# Altium PCB MR-71_RE0.PcbDoc
Units mm, origin at the board's own origin, x right, y up, seen from the top; angles counter-clockwise.
Board outline 119.7 x 55.6 mm, 2 copper layers (Top Layer, Bottom Layer), stack 1.535 mm thick; 105 components, 63 nets, 323 pads, 72 vias.
Unrouted connection lines stored in the file: 1.
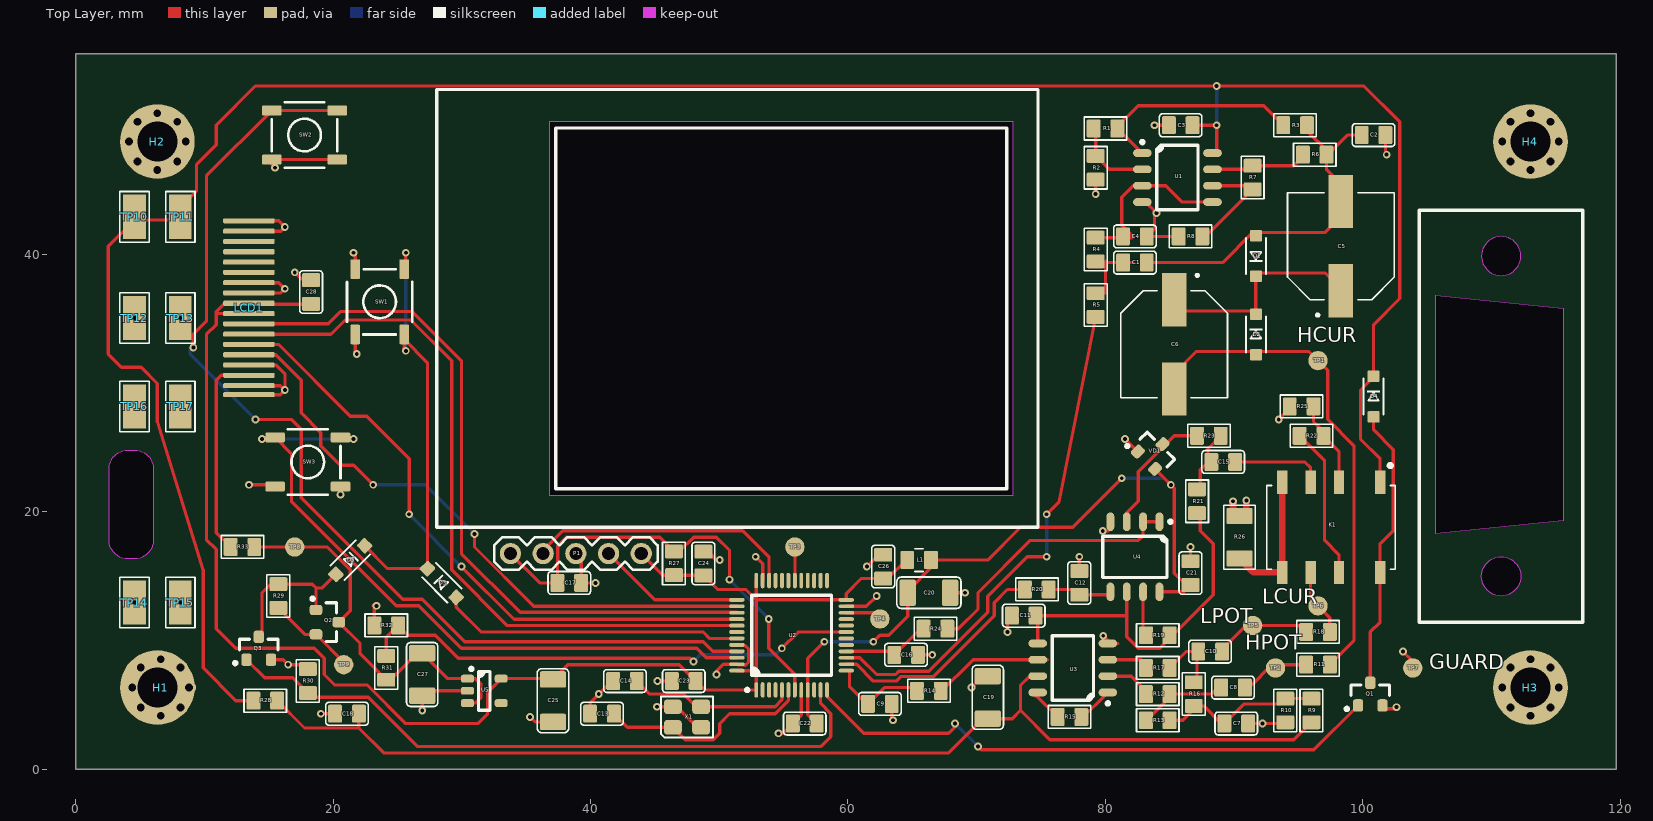
[diagram p0: Top Layer view]
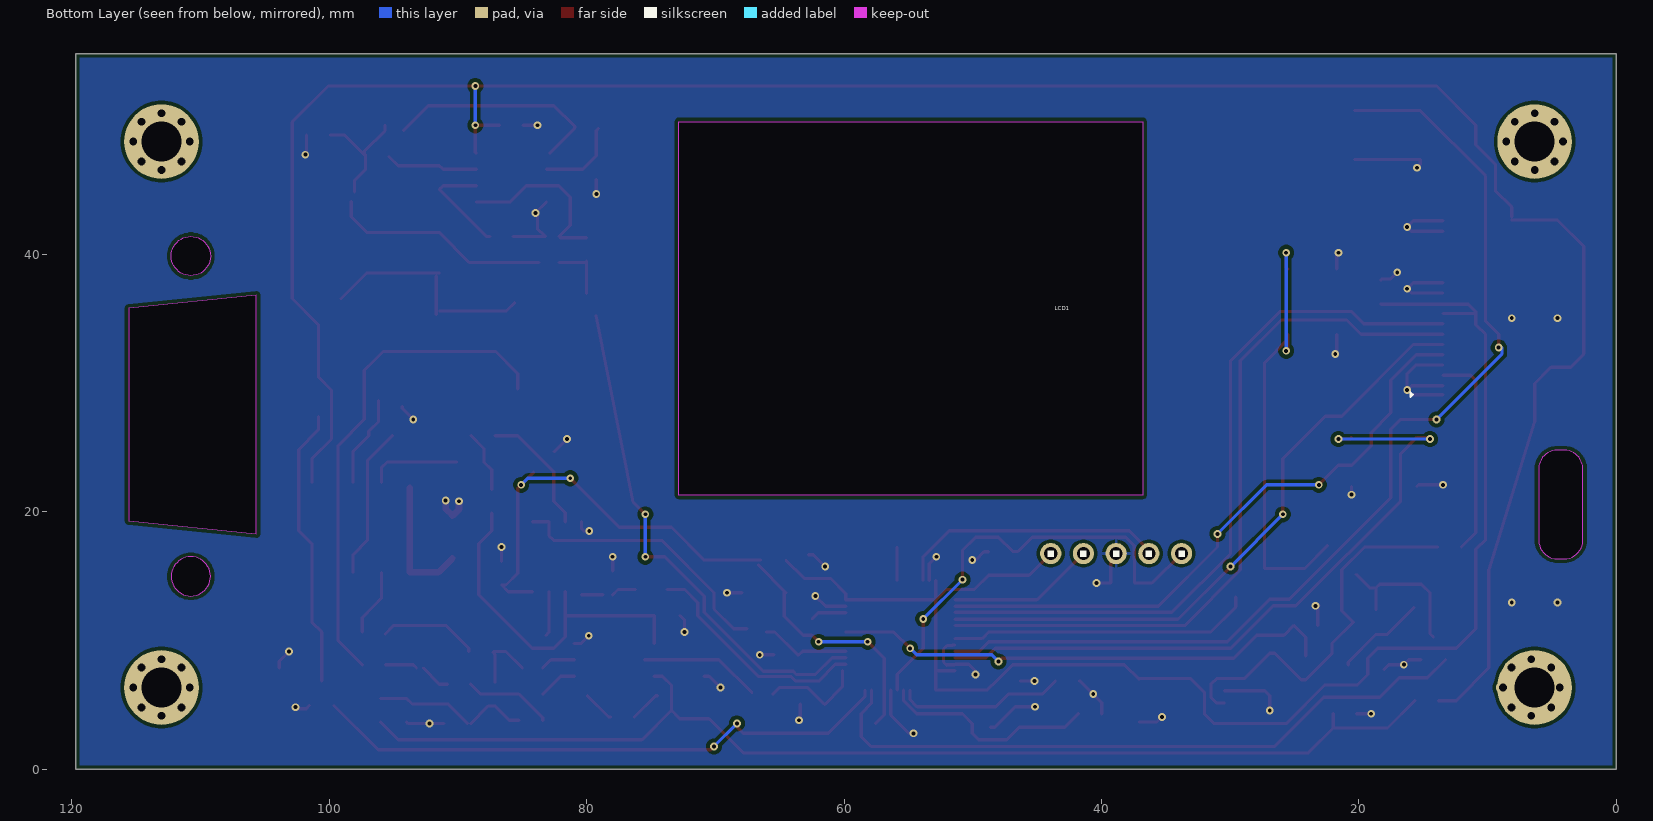
[diagram p1: Bottom Layer view, seen from below]
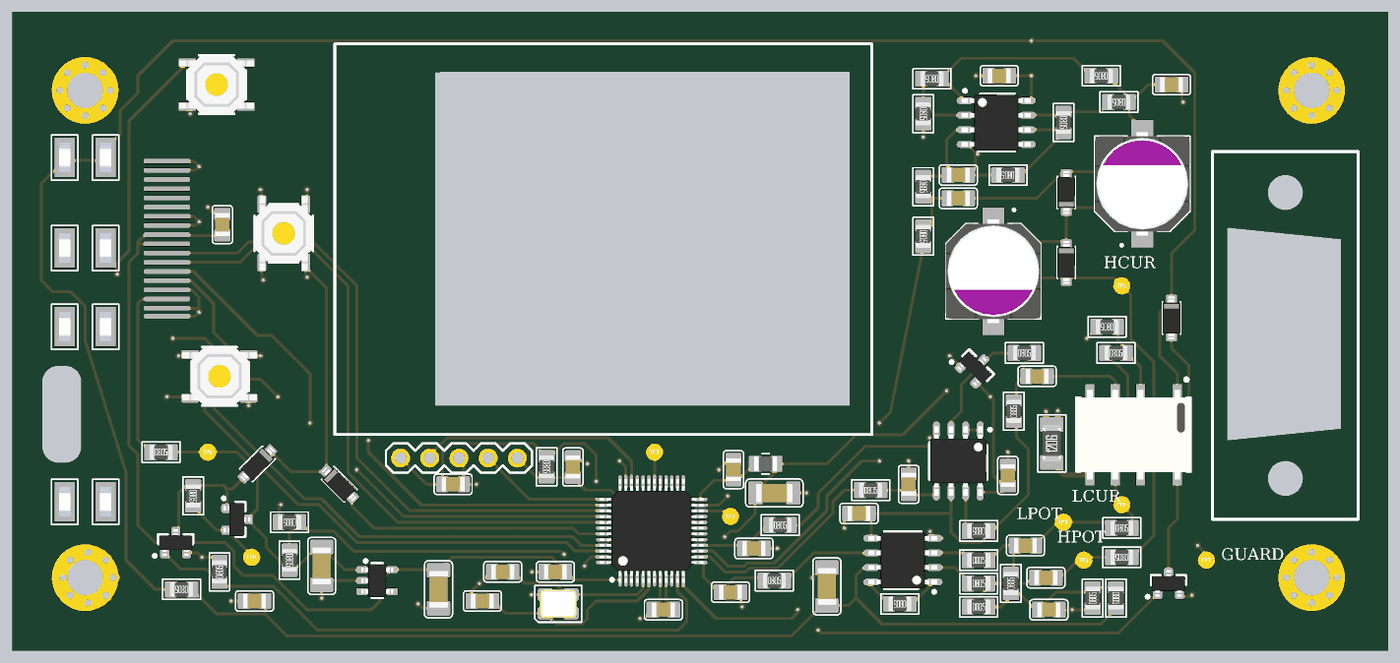
[diagram p2: 3D render of the assembled board from above, using the file's embedded part models]

## Layer stack, top to bottom
Top Solder: solder mask 0.0102, Solder Resist, Dk 3.5
Top Layer: signal copper 0.035
Dielectric2: core 1.465, Dk 4.2
Bottom Layer: signal copper 0.035
Bottom Solder: solder mask 0.0102, Solder Resist, Dk 3.5

## Board outline
0,0 119.7,0 119.7,55.6 0,55.6
cut-out: 4.038,16.353 cw(c4.038,17.78) 2.611,17.78 2.611,23.622 2.654,23.718 cw(c4.038,23.368) 4.038,24.795 4.598,24.795 cw(c4.598,23.368) 5.982,23.718 6.025,23.622 6.025,17.78 cw(c4.598,17.78) 4.598,16.353
cut-out: 109.22,39.878 ccw(c110.744,39.878) 110.744,38.354 ccw(c110.744,39.878) 112.268,39.878 ccw(c110.744,39.878) 110.744,41.402 ccw(c110.744,39.878)
cut-out: 109.22,14.986 cw(c110.744,14.986) 110.744,16.51 cw(c110.744,14.986) 112.268,14.986 cw(c110.744,14.986) 110.744,13.462 cw(c110.744,14.986)
cut-out: 105.664,18.288 105.664,36.83 115.57,35.814 115.57,19.304
cut-out: 36.792,21.293 72.832,21.293 72.832,50.323 36.792,50.323

## Design rules (kind name [scope] priority, off if disabled: settings)
BoardOutlineClearance [All] p1: gap=0.3 ignorepadtopadclearanceinfootprint=FALSE except(0: Arc-SplitContinuation Track-SplitContinuation SMDPad-SplitContinuation THPad-SplitContinuation Via-SplitContinuation Fill-SplitContinuation Poly-SplitContinuation Region-SplitContinuation Text-SplitContinuation)
Clearance "Stitching VOUT" [IsStitchingVia and InNet('VOUT') vs (IsVia and (Not IsStitchingVia)) Or IsPad] p1: gap=0.127 ignorepadtopadclearanceinfootprint=FALSE
Clearance "PGND vs via" [(InNet('GND') AND InPolygon) vs IsVia] p2: gap=0.305 ignorepadtopadclearanceinfootprint=FALSE except(0: Arc-Hole Track-Hole SMDPad-Hole THPad-Hole Via-Hole Fill-Hole Poly-Hole Region-Hole Text-Hole)
Clearance "pour clearance_1" [InPolygon] p3: gap=0.254 ignorepadtopadclearanceinfootprint=FALSE except(0: Arc-Hole Track-Hole SMDPad-Hole THPad-Hole Via-Hole Fill-Hole Poly-Hole Region-Hole Text-Hole)
Clearance [All] p4: gap=0.198 ignorepadtopadclearanceinfootprint=FALSE except(0: Arc-Hole Track-Hole SMDPad-Hole THPad-Hole Via-Hole Fill-Hole Poly-Hole Region-Hole Text-Hole; 0.15: Arc-Via Track-Via SMDPad-SMDPad)
DiffPairsRouting [All] p1: maxlimit=0.254 minlimit=0.2 mostfreqgap=0.2 toplayer_minwidth=0.2 toplayer_maxwidth=0.381 toplayer_prefwidth=0.2 bottomlayer_minwidth=0.2 bottomlayer_maxwidth=0.381 bottomlayer_prefwidth=0.2 maxuncoupledlength=12.7
HoleSize [All] p1: absolutevalues=TRUE maxlimit=6.858 minlimit=0.279 maxpercent=80.000 minpercent=20.000
MinimumSolderMaskSliver [All] p1: minsoldermaskwidth=0
PolygonConnect HOLE_J1-J4 [InComponent('J1') OR InComponent('J2') OR InComponent('J3') OR InComponent('J4')] p1: connectstyle=Direct reliefconductorwidth=0.254 reliefentries=4 polygonreliefangle="90 Angle" airgapwidth=0.254
PolygonConnect HOLE [All] p2: thpad.connectstyle=Relief thpad.reliefconductorwidth=0.254 thpad.reliefentries=4 thpad.polygonreliefangle="90 Angle" thpad.airgapwidth=0.254 smdpad.connectstyle=Direct smdpad.reliefconductorwidth=0.254 smdpad.reliefentries=4 smdpad.polygonreliefangle="90 Angle" smdpad.airgapwidth=0.254 via.connectstyle=Direct via.reliefconductorwidth=0.254 via.reliefentries=4 via.polygonreliefangle="90 Angle" via.airgapwidth=0.254
PolygonConnect [All] p3: connectstyle=Direct reliefconductorwidth=0.254 reliefentries=4 polygonreliefangle="90 Angle" airgapwidth=0.254
RoutingVias [All] p1: holewidth=0.3 width=0.6 viastyle="Through Hole" minholewidth=0.3 minwidth=0.6 maxholewidth=1 maxwidth=2
ShortCircuit [InNet('AGND') vs InNet('PGND')] p1: allowed=TRUE
SilkToSilkClearance [All] p1 off: silktosilkclearance=0.178
SilkToSolderMaskClearance [IsPad] p1 off: minsilkscreentomaskgap=0.178 clearancetoexposedcopper=TRUE
SolderMaskExpansion SolderMaskExpansion_Via [ObjectKind = 'Via'] p1: expansion=0.051 istentingtop=TRUE
SolderMaskExpansion [All] p2: expansion=0.051 istentingtop=FALSE
Width [All] p1: maxlimit=2.54 minlimit=0.2 preferedwidth=0.2
24 further rules are at their usual default settings.

## Components (designator, comment, footprint, x,y, rotation, side; value= is the part's Value field where it differs from the comment)
BAT1 "BAT_NA" Lipo_NONE -2.473,69.534 r90 top
C1 "22pF" C0805 82.296,39.37 r180 top
C2 "4.7nF" C0805 100.838,49.276 r0 top
C3 "1uF" C0805 85.852,50.038 r0 top
C4 "100pF" C0805 82.296,41.402 r0 top
C5 "220uF/35V/8*10.5mm" "CAP OS-CON D=8.0 L=11.9 E12" 98.298,40.64 r90 top
C6 "220uF/35V/8*10.5mm" "CAP OS-CON D=8.0 L=11.9 E12" 85.344,33.02 r270 top
C7 "100nF" C0805 90.17,3.556 r0 top
C8 "330nF" C0805 89.916,6.35 r0 top
C9 "1nF" C0805 62.484,5.08 r0 top
C10 "330nF" C0805 88.138,9.144 r0 top
C11 "100nF" C0805 73.66,11.938 r180 top
C12 "100pF" C0805 77.978,14.478 r90 top
C13 "10pF" C0805 40.894,4.318 r0 top
C14 "10pF" C0805 42.672,6.858 r0 top
C15 "330nF" C0805 89.154,23.876 r0 top
C16 "1nF" C0805 64.516,8.89 r180 top
C17 "100nF" C0805 38.354,14.478 r180 top
C18 "100nF" C0805 21.082,4.318 r180 top
C19 "10uF" C1206 70.866,5.588 r90 top
C20 "10uF" C1206 66.294,13.716 r0 top
C21 "1uF" C0805 86.614,15.24 r90 top
C22 "100nF" C0805 56.642,3.556 r180 top
C23 "1uF" C0805 47.244,6.858 r180 top
C24 "1uF" C0805 48.774,15.987 r90 top
C25 "10uF" C1206 37.084,5.334 r270 top
C26 "100nF" C0805 62.738,15.748 r90 top
C27 "10uF" C1206 26.924,7.366 r270 top
C28 "100nF" C0805 18.288,37.084 r270 top
D1 "DL4148" SOD-123 91.694,39.878 r270 top
D2 "DL4148" SOD-123 91.694,33.782 r90 top
D3 "DL4148" SOD-123 28.448,14.478 r135 top
D4 "DL4148" SOD-123 100.838,28.956 r90 top
D5 "DL4148" SOD-123 21.336,16.256 r45 top
H1 "HOLE" "M3.1 D=5.8 SUN"#1 6.604,6.35 r0 top locked
H2 "HOLE" "M3.1 D=5.8 SUN"#2 6.35,48.768 r0 top locked
H3 "HOLE" "M3.1 D=5.8 SUN"#2 113.03,6.35 r0 top locked
H4 "HOLE" "M3.1 D=5.8 SUN"#2 113.03,48.768 r0 top locked
K1 "G6K (B)" RELAY_G6K-2F-Y 97.536,18.796 r180 top
L1 "inductor_mini" FER0805 65.532,16.256 r180 top
LCD1 "LCD_Universal_128x160_18pin" LCD-128X160-1.8INCH_SOLDER_MR-71 74.762,35.808 r90 bottom locked
P1 "CONN_X5" 2.54MM_MALE_X5 43.942,16.764 r180 top
Q1 "2N7002" "INFINEON SOT-23-3" 100.584,5.842 r90 top
Q2 "P-MOS_123" "INFINEON SOT-23-3" 19.558,11.43 r0 top
Q3 "2N7002" "INFINEON SOT-23-3" 14.224,9.398 r90 top
R1 "6.2K" R0805 80.01,49.784 r180 top
R2 "3K" R0805 79.248,46.736 r270 top
R3 "51R" R0805 94.742,50.038 r180 top
R4 "7.5K" R0805 79.248,40.386 r270 top
R5 "7.5K" R0805 79.248,36.068 r270 top
R6 "51R" R0805 96.266,47.752 r180 top
R7 "6.2K" R0805 91.44,45.974 r270 top
R8 "3K" R0805 86.614,41.402 r180 top
R9 "7.5K" R0805 96.012,4.572 r270 top
R10 "7.5K" R0805 93.98,4.572 r90 top
R11 "3K" R0805 96.52,8.128 r180 top
R12 "300R" R0805 84.074,5.842 r0 top
R13 "1M" R0805 84.074,3.81 r0 top
R14 "300R" R0805 66.294,6.096 r0 top
R15 "3.6K/1%" R0805 77.216,4.064 r180 top
R16 "1M" R0805 86.868,5.842 r90 top
R17 "300R" R0805 84.074,7.874 r0 top
R18 "3K" R0805 96.52,10.668 r0 top
R19 "51R" R0805 84.074,10.414 r180 top
R20 "300R" R0805 74.676,13.97 r0 top
R21 "1M" R0805 87.122,20.828 r90 top
R22 "13K" R0805 96.012,25.908 r0 top
R23 "300R" R0805 88.043,25.908 r0 top
R24 "300R" R0805 66.802,10.922 r0 top
R25 "10K/1%" R0805 95.25,28.194 r180 top
R26 "33R/1%" R1206 90.424,18.034 r90 top
R27 "20K" R0805 46.482,16.002 r270 top
R28 "51R" R0805 14.732,5.334 r180 top
R29 "20K" R0805 15.748,13.462 r270 top
R30 "20K" R0805 18.034,6.858 r90 top
R31 "20K" R0805 24.13,7.874 r270 top
R32 "20K" R0805 24.13,11.176 r180 top
R33 "51R" R0805 12.954,17.272 r0 top
SW1 "Button-4P" TACTILE_SWITCH_SMD_4X4MM 23.622,36.322 r90 top
SW2 "Button-4P" TACTILE_SWITCH_SMD_4X4MM 17.78,49.276 r180 top
SW3 "Button-4P" TACTILE_SWITCH_SMD_4X4MM 18.034,23.876 r180 top
TP1 "TP_SMD" TP_SMD_1.5mm_01 96.52,31.75 r0 top
TP2 "TP_SMD" TP_SMD_1.5mm_01 93.218,7.874 r90 top
TP3 "TP_SMD" TP_SMD_1.5mm_01 55.88,17.272 r90 top
TP4 "TP_SMD" TP_SMD_1.5mm_01 62.484,11.684 r90 top
TP5 "TP_SMD" TP_SMD_1.5mm_01 91.44,11.176 r90 top
TP6 "TP_SMD" TP_SMD_1.5mm_01 96.52,12.7 r90 top
TP7 "TP_SMD" TP_SMD_1.5mm_01 103.886,7.874 r90 top
TP8 "TP_SMD" TP_SMD_1.5mm_01 17.018,17.272 r90 top
TP9 "TP_SMD" TP_SMD_1.5mm_01 20.828,8.128 r90 top
TP10 "TP_SMD" KEYSTONE_5015 4.572,42.926 r90 top
TP11 "TP_SMD" KEYSTONE_5015 8.128,42.926 r90 top
TP12 "TP_SMD" KEYSTONE_5015 4.572,35.052 r90 top
TP13 "TP_SMD" KEYSTONE_5015 8.128,35.052 r90 top
TP14 "TP_SMD" KEYSTONE_5015 4.572,12.954 r90 top
TP15 "TP_SMD" KEYSTONE_5015 8.128,12.954 r90 top
TP16 "TP_SMD" KEYSTONE_5015 4.572,28.194 r90 top
TP17 "TP_SMD" KEYSTONE_5015 8.128,28.194 r90 top
U1 "MAX4392" "ANALOG DEV SOIC-8 R8" 85.598,45.974 r0 top
U2 "STM32F303CBT6" "ST LQFP-48 7x7MM" 55.626,10.414 r90 top
U3 "INA828" "ANALOG DEV SOIC-8 R8" 77.47,7.874 r180 top
U4 "MCP6022" "ANALOG DEV SOIC-8 R8" 82.296,16.51 r270 top
U5 "LP5907MFX-3.0" "ANALOG TSOT-23-5 UJ-5" 31.75,6.096 r0 top
VD1 "BAV99" "INFINEON SOT-23-3" 83.82,24.638 r45 top
X1 "XTAL-4P" "EPSON TSX-3225" 47.498,4.064 r0 top

## Footprints (in the part's own frame and the unit in brackets; to place one, negate y for a bottom-side part, rotate by r counter-clockwise, add the part's x,y. Pads: shape width x height; smd on the part's side, far side on the other; paste and mask are expansions set on the pad)
2.54MM_MALE_X5 [mm]
  round 1.65 hole 1.016: 1(0,0) 2(2.54,0) 3(5.08,0) 4(7.62,0) 5(10.16,0)
  silkscreen extent -1.27,-1.27 11.43,1.27
"ANALOG DEV SOIC-8 R8" [mm] "SOIC, 8-Leads, Body 4.90x3.90mm, Pitch 1.27mm, IPC Medium Density"
  oval 1.45x0.6 smd: 1(-2.725,1.905) 2(-2.725,0.635) 3(-2.725,-0.635) 4(-2.725,-1.905) 5(2.725,-1.905) 6(2.725,-0.635) 7(2.725,0.635) 8(2.725,1.905)
  silkscreen extent -2.85,-2.5 1.6,2.88, body extent -3.01,-2.45 3.01,2.45, height 1.5
"ANALOG TSOT-23-5 UJ-5" [mm] "SOT23, 5-Leads, Body 2.90x1.60mm, Pitch 0.95mm, IPC Medium Density"
  rrect50% 1x0.6 smd: 1(-1.31,0.95) 2(-1.31,0) 3(-1.31,-0.95) 4(1.31,-0.95) 5(1.31,0.95)
  silkscreen extent -1.12,-1.5 0.45,1.82, body extent -1.4,-1.45 1.4,1.45, height 1
C0805 [mil]
  rrect20% 42.5x55 smd: 1(-36.26,0) 2(36.26,0)
  silkscreen extent -65,-35 65,35, body extent -39,-25 39,25, height 49
C1206 [mil]
  rrect20% 50x80 smd: 1(-65,0) 2(65,0)
  silkscreen extent -98,-48 98,48, body extent -63,-32 63,32, height 64
"CAP OS-CON D=8.0 L=11.9 E12" [mm]
  rect 4.15x1.9 smd: 1(-3.475,0) 2(3.475,0)
  silkscreen extent -5.45,-4.15 4.15,4.15, body extent -4.5,-4.15 4.5,4.15, height 11.9
"EPSON TSX-3225" [mm] "Crystal, 4-Leads, Body 2.50x3.20mm, Pitch 2.20mm, IPC Medium Density"
  rrect50% 1.4x1.15 smd: 1(-1.1,-0.8) 2(1.1,-0.8) 3(1.1,0.8) 4(-1.1,0.8)
  silkscreen extent -2.02,-1.6 2.02,1.6, body extent -1.61,-1.26 1.61,1.26, height 0.6
FER0805 [mil]
  rrect20% 42.5x55 smd: 1(-36.26,0) 2(36.26,0)
  silkscreen extent -13,-35 13,35, body extent -39,-25 39,25, height 49
"INFINEON SOT-23-3" [mm] "SOT23, 3-Leads, Body 2.90x2.40mm, Pitch 0.95mm, IPC Medium Density"
  rrect50% 0.972x0.802 smd: 1(-0.885,0.95) 2(-0.885,-0.95) 3(0.885,0)
  silkscreen extent -1.27,-1.5 0.7,1.95, body extent -1.16,-1.45 1.16,1.45, height 1
KEYSTONE_5015 [mm]
  rect 3.43x1.78 smd: 1(0,0)
  silkscreen extent -1.96,-1.14 1.96,1.14, body extent -1.33,-0.51 1.33,0.51, height 1.52
LCD-128X160-1.8INCH_SOLDER_MR-71 [mm]
  rrect50% 0.4x4 smd far side: 1(-6.7,-61.3) 2(-6,-61.3) 3(-5.2,-61.3) 4(-4.4,-61.3) 5(-3.6,-61.3) 6(-2.8,-61.3) 7(-2,-61.3) 8(-1.2,-61.3) 9(-0.4,-61.3) 10(0.4,-61.3) 11(1.2,-61.3) 12(2,-61.3) 13(2.8,-61.3) 14(3.6,-61.3) 15(4.4,-61.3) 16(5.2,-61.3) 17(6,-61.3) 18(6.8,-61.3)
  silkscreen extent -6.9,-58.95 -6.5,-58.75
Lipo_NONE [mm]
"M3.1 D=5.8 SUN"#1 [mm]
  round 1.108 hole 0.6: 1(-2.2,0) 1(-1.55,-1.55) 1(-1.55,1.55) 1(0,-2.2) 1(0,2.2) 1(1.55,-1.55) 1(1.55,1.55) 1(2.2,0)
  round 5.8 hole 3.1: 1(-0.254,0)
"M3.1 D=5.8 SUN"#2 [mm]
  round 1.108 hole 0.6: 1(-2.2,0) 1(-1.55,-1.55) 1(-1.55,1.55) 1(0,-2.2) 1(0,2.2) 1(1.55,-1.55) 1(1.55,1.55) 1(2.2,0)
  round 5.8 hole 3.1: 1(0,0)
R0805 [mil]
  rrect20% 42.5x55 smd: 1(-36.26,0) 2(36.26,0)
  silkscreen extent -65,-35 65,35, body extent -39,-25 39,25, height 24
R1206 [mil]
  rrect20% 50x80 smd: 1(-65,0) 2(65,0)
  silkscreen extent -98,-48 98,48, body extent -63,-31 63,31, height 24
RELAY_G6K-2F-Y [mm]
  rect 0.8x1.8 smd: 1(-3.81,-3.5) 2(-0.61,-3.5) 3(1.59,-3.5) 4(3.79,-3.5) 5(3.79,3.5) 6(1.59,3.5) 7(-0.61,3.5) 8(-3.81,3.5)
  silkscreen extent -5,-4.94 5,3.25, body extent -5,-3.9 5,3.9, height 5.2
SOD-123 [mm]
  rrect25% 0.9x0.95 smd: 1(-1.575,0) 2(1.575,0)
  silkscreen extent -1.4,-0.77 1.4,0.77, body extent -1.86,-0.78 1.86,0.77, height 1.35
"ST LQFP-48 7x7MM" [mm] "LQFP, 48-Leads, Body 7.00x7.00mm, Pitch 0.50mm, IPC Medium Density"
  oval 1.2x0.3 smd: 1(-4.25,2.75) 2(-4.25,2.25) 3(-4.25,1.75) 4(-4.25,1.25) 5(-4.25,0.75) 6(-4.25,0.25) 7(-4.25,-0.25) 8(-4.25,-0.75) 9(-4.25,-1.25) 10(-4.25,-1.75) 11(-4.25,-2.25) 12(-4.25,-2.75) 25(4.25,-2.75) 26(4.25,-2.25) 27(4.25,-1.75) 28(4.25,-1.25) 29(4.25,-0.75) 30(4.25,-0.25) 31(4.25,0.25) 32(4.25,0.75) 33(4.25,1.25) 34(4.25,1.75) 35(4.25,2.25) 36(4.25,2.75)
  oval 0.3x1.2 smd: 13(-2.75,-4.25) 14(-2.25,-4.25) 15(-1.75,-4.25) 16(-1.25,-4.25) 17(-0.75,-4.25) 18(-0.25,-4.25) 19(0.25,-4.25) 20(0.75,-4.25) 21(1.25,-4.25) 22(1.75,-4.25) 23(2.25,-4.25) 24(2.75,-4.25) 37(2.75,4.25) 38(2.25,4.25) 39(1.75,4.25) 40(1.25,4.25) 41(0.75,4.25) 42(0.25,4.25) 43(-0.25,4.25) 44(-0.75,4.25) 45(-1.25,4.25) 46(-1.75,4.25) 47(-2.25,4.25) 48(-2.75,4.25)
  silkscreen extent -4.37,-3.1 3.1,3.57, body extent -4.51,-4.51 4.51,4.51, height 1.55
TACTILE_SWITCH_SMD_4X4MM [mil]
  rrect25% 60x30 smd: 1(-100,75) 2(100,75) 3(-100,-75) 4(100,-75)
  silkscreen extent -100,-100 100,100, body extent -128,-100 128,100, height 60
TP_SMD_1.5mm_01 [mm]
  round 1.5 smd paste-5: 1(0,0)

## Part data
BAT1: "锂电池"
C1 C2 C3 C4 C7 C8 C9 C10 C11 C12 C13 C14 C15 C16 C17 C18 C19 C20 C21 C22 C23 C24 C25 C26 C27 C28: library part CAP, "Capacitor"
C5 C6: library part CAP_Polar_Aluminum, "Capacitor"
D1 D2 D3 D4 D5: library part DIODE, "二极管"
K1: "Telecom Relay DPDT (2 Form C) Surface Mount", Package=None, Availability=Unavailable, Check_prices=https://www.snapeda.com/parts/G6K-2F%20DC3/Omron%20Electronics%20Inc-EMC%20Div/view-part/394711/?ref=eda, MF="Omron Electronics", MP="G6K-2F DC3", Price=None, SnapEDA_Link=https://www.snapeda.com/parts/G6K-2F%20DC3/Omron%20Electronics%20Inc-EMC%20Div/view-part/394711/?ref=snap
L1: "贴片叠层电感"
Q1 Q3: library part N-MOS_123, "N-MOS"
Q2: "P-MOS"
R1 R2 R3 R4 R5 R6 R7 R8 R9 R10 R11 R12 R13 R14 R15 R16 R17 R18 R19 R20 R21 R22 R23 R24 R25 R26 R27 R28 R29 R30 R31 R32 R33: library part RES, "IEC Standard"
SW1 SW2 SW3: "Button"
TP1 TP2 TP3 TP4 TP5 TP6 TP7 TP8 TP9 TP10 TP11 TP12 TP13 TP14 TP15 TP16 TP17: "SMD testpad", ComponentLink1Description=Datasheet, ComponentLink2Description="Supplier link"
U1: library part AD8542, "通用型CMOS双路轨到轨放大器 / General-Purpose CMOS Dual Rail-to-Rail Amplifier", ComponentLink1Description=中文数据手册, ComponentLink1URL=https://www.analog.com/media/cn/technical-documentation/data-sheets/AD8541_8542_8544_cn.pdf, ComponentLink2Description="Data Sheet", ComponentLink2URL=https://www.analog.com/media/en/technical-documentation/data-sheets/AD8541_8542_8544.pdf
U2: "带DSP和FPU的主流混合信号ARM Cortex-M4 MCU，具有128 KB Flash、72 MHz CPU、MPU、CCM、5 MSPS 12位ADC、PGA和比较器", I/Os (High Current)=37, Operating Frequency(F) (Processor speed) (MHz)=72, PartNumber=STM32F103CBT6, Supplier Part Number 1=497-6288-ND, Supply Voltage(Vcc) min (V)=2, A/D Converter="2x12-bit (10 Channel)", ComponentLink1Description=数据手册, ComponentLink1URL=https://www.st.com/resource/en/datasheet/stm32f303cb.pdf, Core="ARM Cortex-M3", DatasheetVersion="Rev. 16", FLASH Size (Prog) (kB)=128, Internal RAM Size (kB)=20, Mounting Technology="Surface Mount", PackageDescription="48-Pin Low Profile Quad Flat Package, 7 x 7 mm Body, 0.5 mm Pitch", PackageReference=LQFP48, PackageVersion="Rev. 6, 06/2013", Packing=Tray, Supplier 1=Digi-Key, Supplier 2=Farnell, Supplier 3=Newark, Supplier 4=Newark, Supplier 5=Mouser, Supplier Part Number 2=1606327, Supplier Part Number 3=11N8296, Supplier Part Number 4=57P1214, Supplier Part Number 5=511-STM32F103CBT6
U3: "50-µV Offset, 7-nV/√Hz Noise, Low-Power, Precision Instrumentation Amplifier"
U4: library part AD8542, ComponentLink1Description=中文数据手册, ComponentLink1URL=https://www.analog.com/media/cn/technical-documentation/data-sheets/AD8541_8542_8544_cn.pdf, ComponentLink2Description="Data Sheet", ComponentLink2URL=https://www.analog.com/media/en/technical-documentation/data-sheets/AD8541_8542_8544.pdf
U5: library part ADP150AUJZ-3.3-R7, "超低噪声线性稳压芯片"
VD1: "Dual Series Switching Diodes", ComponentLink1Description=Datasheet, ComponentLink1URL=https://www.onsemi.com/pub/Collateral/BAV99WT1-D.PDF
X1: library part XTAL-4P_crystal, "4脚无源石英晶振"

## Via types
v1: diameter 0.6, hole 0.3, Top Layer to Bottom Layer, tented both sides, 72 vias

## Nets (pads, with @x,y where several pads share a name; then routed paths per layer and width w, separated by ;. In a path a pad name is that pad's centre, name@x,y a point inside that pad or via, vN(x,y) a via of type N, cw(c..) or ccw(c..) an arc to the next point about the centre after c; other vN are vias at no path point)
+3V: C23.1 C24.1 C25.1 C26.1 C28.2 L1.2 LCD1.9 LCD1.10 P1.1 R27.2 U2.1 U2.24 U2.36 U2.48 U5.5 | length 118.6
  Top Layer w0.254: LCD1.9 11.074,35.408 10.922,35.56 ; C28.2 18.265,36.14 11.502,36.14 10.922,35.56 ; P1.1 45.625,15.081 R27.2 48.759,15.081 C24.1 49.87,13.97 52.07,13.97 52.876,13.164 ; U2.48 52.71,7.664 52.876,7.83 ; U2.36 52.876,13.164 ; C26.1 61.055,14.827 59.876,13.648 U2.24 52.876,13.164 ; C26.1@62.833,14.827 63.087,14.827 L1.2@64.516,16.256 ; 10.922,35.56 10.922,34.544 10.16,33.782 10.16,17.844 10.922,17.082 10.922,10.922 12.446,9.398 18.542,9.398 19.304,8.636 19.304,7.366 20.122,6.548 22.662,6.548 25.654,3.556 31.242,3.556 32.004,4.318 32.004,5.99 U5.5 37.023,7.046 C25.1 38.227,8.128 46.895,8.128 C23.1 48.859,6.164 U2.1 52.876,7.83 ; 52.876,7.83 52.876,13.164
+6V: C7.1 R9.1 R10.2 R13.2 R16.1 | length 12.3
  Top Layer w0.254: R13.2@85.249,3.81 86.011,3.81 87.122,4.921 87.63,4.921 C7.1@88.995,3.556 ; C7.1 90.773,5.08 93.567,5.08 R10.2 R9.1
+12V: C3.2 D4.2 K1.1 R28.2 TP10.1 TP11.1 U1.8 | length 186.8
  Top Layer w0.254: TP11.1@8.128,42.672 4.572,42.672 2.54,40.64 2.54,32.258 3.556,31.242 5.08,31.242 6.35,29.972 6.35,26.983 9.906,15.494 9.906,7.874 12.446,5.334 R28.2 ; TP11.1 8.128,43.688 9.398,44.958 9.398,46.99 10.922,48.514 10.922,50.038 13.97,53.086 v1(88.646,53.086) 100.076,53.086 102.87,50.292 102.87,36.576 100.838,34.544 D4.2 100.838,30.48 99.822,29.464 99.822,25.654 101.346,24.13 K1.1 ; C3.2 v1(88.646,50.038) 88.646,47.948 U1.8@88.577,47.879
  Bottom Layer w0.254: v1(88.646,50.038) v1(88.646,53.086)
+VIN: C18.1 C19.1 R9.2 R28.1 U3.7 | length 89.6
  Top Layer w0.254: R28.1 17.78,3.207 22.003,3.207 ; C18.1 22.003,3.207 ; U3.7 74.116,7.239 73.406,6.529 73.406,4.572 ; R9.2 94.647,2.286 75.692,2.286 73.406,4.572 ; 22.003,3.207 23.94,1.27 67.818,1.27 70.485,3.937 72.771,3.937 73.406,4.572
ADC1_P: C9.1 R14.1 U2.13 | length 7.9
  Top Layer w0.254: U2.13@60.13,7.664 60.13,6.418 C9.1@61.516,5.032 ; C9.1 62.833,6.35 65.024,6.35 R14.1@65.532,5.842
ADC2_P: C16.2 R24.1 U2.16 | length 6.9
  Top Layer w0.254: U2.16 63.226,9.164 C16.2@63.5,8.89 ; C16.2 65.373,10.668 R24.1@66.04,10.668
ADC3_AKK: R31.1 R32.1 U2.19 | length 39.7
  Top Layer w0.254: R31.1 24.13,10.255 R32.1 25.813,10.414 27.94,10.414 29.718,8.636 47.752,8.636 v1(48.006,8.382) ; v1(54.864,9.398) 56.13,10.664 U2.19
  Bottom Layer w0.254: v1(48.006,8.382) 48.514,8.89 54.356,8.89 v1(54.864,9.398)
BUT_F: SW2.3 SW2.4 U2.45 | length 82
  Top Layer w0.254: v1(9.144,32.766) 9.144,33.782 10.16,34.798 10.16,46.101 SW2.4 SW2.3 ; v1(13.97,27.178) 16.764,27.178 17.526,26.416 17.526,21.082 25.4,13.208 26.924,13.208 30.226,9.906 48.768,9.906 49.53,9.144 49.55,9.164 U2.45
  Bottom Layer w0.254: v1(9.144,32.766) 8.89,32.766 8.89,32.258 v1(13.97,27.178)
BUT_P: D3.2 D5.2 SW1.3 SW1.4 | length 34.4
  Top Layer w0.254: D5.2 24.228,15.592 D3.2 27.334,31.594 SW1.3@25.527,33.401 ; SW1.3 SW1.3@25.527,33.401 ; SW1.4 25.654,38.989 v1(25.654,40.132) ; v1(25.654,32.512) 25.527,32.639 SW1.3@25.527,33.401
  Bottom Layer w0.254: v1(25.654,32.512) v1(25.654,40.132)
BUT_S: SW3.3 SW3.4 U2.46 | length 54.4
  Top Layer w0.254: v1(14.478,25.654) 14.605,25.781 SW3.4 16.764,24.511 16.764,20.828 24.892,12.7 26.67,12.7 29.972,9.398 48.26,9.398 48.994,8.664 U2.46 ; SW3.3 20.701,25.654 v1(21.59,25.654)
  Bottom Layer w0.254: v1(14.478,25.654) v1(21.59,25.654)
DAC1_REF: R20.1 U2.14 | length 18
  Top Layer w0.254: U2.14 60.67,8.164 61.976,6.858 63.754,6.858 64.097,7.201 66.637,7.201 71.374,11.938 71.374,12.954 72.39,13.97 R20.1
DAC2_OS: R5.2 U2.15 | length 40.1
  Top Layer w0.254: U2.15 60.932,8.664 62.23,7.366 63.699,7.366 63.953,7.62 66.294,7.62 70.866,12.192 70.866,13.462 73.914,16.51 v1(75.438,16.51) ; v1(75.438,19.812) 76.389,20.763 R5.2@79.269,35.252
  Bottom Layer w0.254: v1(75.438,16.51) v1(75.438,19.812)
DEBUG_RST: C17.2 P1.5 R27.1 U2.7 | length 35.4
  Top Layer w0.254: P1.5 36.068,14.478 C17.2 37.433,16.287 37.445,16.299 37.445,17.379 38.1,18.034 45.371,18.034 R27.1 46.895,16.923 48.006,18.034 49.784,18.034 50.8,17.018 v1(50.8,14.732) ; v1(53.848,11.684) 53.848,9.398 55.876,7.37 U2.7
  Bottom Layer w0.254: v1(50.8,14.732) v1(53.848,11.684)
GND: C2.2 C3.1 C4.2 C7.2 C9.2 C11.2 C12.2 C13.1 C14.1 C16.1 C17.1 C18.2 C19.2 C20.2 C21.2 C22.2 C23.2 C24.2 C25.2 C26.2 C27.2 C28.1 LCD1.1 LCD1.2 LCD1.4 LCD1.11 LCD1.12 LCD1.17 LCD1.18 P1.3 Q1.2 Q3.2 R2.2 R8.2 R10.1 R25.2 R26.2 R30.2 R32.2 SW1.1 SW1.2 SW2.1 SW2.2 SW3.1 SW3.2 TP7.1 TP12.1 TP13.1 TP14.1 TP15.1 U1.4 U2.8 U2.23 U2.35 U2.44 U2.47 U3.4 U4.4 U5.2 VD1.1 X1.2 X1.4 | length 109.6
  Top Layer w0.254: v1(13.462,22.098) 15.367,22.098 SW3.2 ; LCD1.1 15.9,29.108 v1(16.256,29.464) ; LCD1.2 15.912,29.808 v1(16.256,29.464) ; LCD1.4 15.582,31.408 16.256,30.734 v1(16.256,29.464) ; LCD1.11 15.926,37.008 v1(16.256,37.338) 15.786,37.808 LCD1.12 ; LCD1.17 15.926,41.808 v1(16.256,42.138) 15.786,42.608 LCD1.18 ; Q3.2 16.125,8.513 v1(16.51,8.128) 17.685,8.128 R30.2 ; v1(15.494,46.736) 15.24,46.99 SW2.2 SW2.1 ; v1(17.018,38.608) 17.526,38.1 18.193,38.1 C28.1 ; v1(19.05,4.318) C18.2 ; v1(20.574,21.336) SW3.1 ; v1(21.59,40.132) 21.717,40.005 SW1.2 ; SW1.1 21.717,32.385 v1(21.844,32.258) ; R32.2 23.209,12.605 23.114,12.7 v1(23.368,12.7) ; v1(26.924,4.572) C27.2 27.305,6.096 U5.2 ; v1(35.306,4.064) 35.687,3.683 C25.2 ; P1.3 39.275,16.351 C17.1 v1(40.386,14.478) ; C13.1 39.973,5.175 v1(40.64,5.842) 41.656,6.858 C14.1 ; v1(45.173,4.865) X1.4 46.698,4.864 48.298,3.264 X1.2 ; v1(45.212,6.858) C23.2 ; C24.2 49.132,16.908 49.784,16.256 v1(50.038,16.256) ; v1(49.784,7.366) 49.784,7.62 50.328,8.164 U2.47 51.428,8.112 52.012,8.112 52.033,8.091 52.274,8.332 52.274,9.35 52.012,9.612 51.602,9.612 51.55,9.664 U2.44 ; v1(52.832,16.51) 53.376,15.966 U2.35 ; v1(54.61,2.794) 54.959,2.794 C22.2 56.376,4.211 U2.8 ; U2.23 61.432,12.664 v1(62.23,13.462) ; v1(61.468,15.748) 62.389,16.669 C26.2 ; C9.2 63.405,3.905 v1(63.5,3.81) ; C16.1 v1(66.548,8.89) ; C20.2 v1(69.088,13.716) ; v1(69.596,6.35) 70.485,7.239 C19.2 ; v1(72.39,10.668) 72.39,11.589 C11.2 ; C12.2 v1(77.978,16.51) ; v1(79.248,44.704) R2.2 ; v1(79.796,18.51) 80.196,18.51 80.391,18.705 U4.4 ; v1(79.832,10.374) 80.427,9.779 80.957,9.779 ; v1(81.534,25.654) 82.504,24.684 VD1.1 ; U1.4@83.127,44.069 v1(83.972,43.224) ; v1(83.82,50.038) C3.1 ; v1@83.979,43.217 v1(83.972,43.224) ; R8.2 C4.2 83.82,42.005 83.82,43.072 v1(83.972,43.224) ; C21.2 v1(86.614,17.272) ; C7.2 v1(92.202,3.556) 93.885,3.556 R10.1 ; v1(93.472,27.178) 94.329,28.035 R25.2 ; Q1.2 101.788,4.703 102.493,4.703 v1(102.616,4.826) ; C2.2 101.759,47.847 v1(101.854,47.752) ; v1(103.124,9.144) 103.886,8.382 TP7.1
  Top Layer w0.508: v1(89.916,20.828) 89.916,20.193 R26.2 ; R26.2@90.448,19.74 90.956,20.248 v1(90.956,20.883)
  other v1: 4.572,12.954 8.128,12.954 4.572,35.052 8.128,35.052
MOSI: LCD1.7 U2.41 | length 57.7
  Top Layer w0.254: LCD1.7 19.838,33.808 20.938,34.908 26.052,34.908 29.21,31.75 29.21,15.494 33.54,11.164 49.511,11.164 U2.41
NetC1_1: C1.1 C2.1 C5.2 D1.1 R3.1 R6.1 | length 26.7
  Top Layer w0.254: C1.1@83.725,39.37 89.103,39.37 91.44,41.707 97.079,41.707 98.298,42.926 C5.2 ; R3.1 95.663,49.625 97.282,48.006 97.282,47.752 98.806,49.276 C2.1 ; R6.1 97.187,46.577 98.044,45.72 C5.2@98.044,44.877
NetC1_2: C1.2 R4.2 R5.1 | length 4.6
  Top Layer w0.254: 80.01,36.989 80.01,39.37 80.01,39.465 80.105,39.37 82.137,39.37
NetC4_1: C4.1 R4.1 U1.3 U1.5 | length 13.8
  Top Layer w0.254: 80.01,41.307 82.042,41.307 82.137,41.402 81.28,42.259 81.28,44.45 82.169,45.339 83.127,45.339 84.709,45.339 85.979,44.069 U1.5@88.577,44.069
NetC5_1: C5.1 C6.1 D1.2 D2.2 | length 17.5
  Top Layer w0.254: C6.1@85.598,36.241 86.228,35.611 D2.2@91.44,35.611 ; D1.2@91.44,38.557 97.079,38.557 C5.1@99.083,36.553 ; D2.2 D1.2
NetC6_2: C6.2 D2.1 R11.1 TP1.1 | length 38.9
  Top Layer w0.254: C6.2 85.344,30.734 87.071,32.461 91.694,32.461 95.809,32.461 TP1.1 97.282,30.988 97.282,27.178 99.314,25.146 99.314,10.001 R11.1
NetC8_1: C8.1 R12.2 R13.1 | length 6.9
  Top Layer w0.254: R13.1@83.407,3.81 83.407,4 85.249,5.842 88.233,5.842 C8.1@88.995,6.604
NetC8_2: C8.2 R11.2 TP2.1 | length 4.9
  Top Layer w0.254: C8.2@90.837,6.604 91.44,6.604 TP2.1@92.71,7.874 ; TP2.1 93.472,8.128 R11.2@95.623,8.128
NetC10_1: C10.1 R16.2 R17.2 | length 5.1
  Top Layer w0.254: R17.2 86.265,9.144 C10.1 ; R16.2@87.122,6.763 87.122,8.954 C10.1@87.265,9.096
NetC10_2: C10.2 R18.1 TP5.1 | length 7.8
  Top Layer w0.254: C10.2@89.154,9.144 89.154,9.398 90.932,11.176 94.996,11.176 R18.1@95.667,10.505
NetC11_1: C11.1 R19.1 R21.1 U3.5 U4.6 | length 28.2
  Top Layer w0.254: U3.5 74.745,11.938 81.661,11.938 ; U4.6 81.661,11.938 ; R21.1@87.376,19.907 87.376,18.542 88.392,17.526 88.392,13.557 84.233,9.398 82.55,9.398 81.661,10.287 81.661,11.938
NetC12_1: C12.1 R20.2 U4.5 | length 3.6
  Top Layer w0.254: 76.2,13.97 77.565,13.97 C12.1 ; 78.74,13.557 U4.5@80.391,13.557
NetC13_2: C13.2 U2.6 X1.1 | length 16.9
  Top Layer w0.254: C13.2 42.869,3.264 X1.1 47.376,2.286 49.53,2.286 50.038,2.794 50.038,3.556 50.8,4.318 54.356,4.318 54.504,4.466 55.376,5.338 U2.6
NetC14_2: C14.2 U2.5 X1.3 | length 13.1
  Top Layer w0.254: C14.2 44.609,5.842 47.244,5.842 48.222,4.864 X1.3 54.339,4.864 54.876,5.401 U2.5
NetC15_1: C15.1 R21.2 R23.2 | length 4.8
  Top Layer w0.254: R21.2@87.376,21.749 87.376,23.273 87.979,23.876 87.979,24.923 R23.2
NetC15_2: C15.2 K1.3 | length 7.2
  Top Layer w0.254: C15.2 95.504,23.876 95.946,23.434 K1.3
NetC27_1: C27.1 Q2.3 R31.2 R33.2 TP8.1 U5.1 U5.3 | length 30.1
  Top Layer w0.254: R33.2 19.558,17.272 21.336,15.494 21.336,12.323 Q2.3 22.098,9.775 22.098,8.985 R31.2 24.479,6.953 26.543,9.017 C27.1 28.895,7.046 U5.1 31.054,7.046 31.496,6.604 31.496,5.588 31.054,5.146 U5.3
NetD3_1: D3.1 U2.43 | length 23.6
  Top Layer w0.254: D3.1 29.562,12.602 31.496,10.668 48.768,10.668 49.276,10.16 51.372,10.16 U2.43
NetD4_1: D4.1 K1.8 Q1.3 | length 21.9
  Top Layer w0.254: Q1.3@100.584,6.858 100.584,10.67 101.346,11.432 K1.8 101.346,17.526 102.362,18.542 102.362,24.841 100.838,26.365 D4.1
NetD5_1: D5.1 Q2.1 Q3.3 R29.1 | length 11.8
  Top Layer w0.254: Q3.3 14.478,10.537 14.478,13.716 15.145,14.383 R29.1 18.383,14.383 18.673,14.093 ; Q2.1 18.673,14.093 ; D5.1 19.173,14.093 18.673,14.093
NetK1_2: K1.2 R22.2 R25.1 | length 7.2
  Top Layer w0.254: R25.1@96.171,28.631 R25.1 96.171,27.019 96.933,26.257 R22.2 98.146,24.695 K1.2
NetK1_4: K1.4 K1.5 R26.1 | length 10.3
  Top Layer w0.508: R26.1 91.511,15.296 93.726,15.296 K1.4@93.726,21.876
NetK1_6: K1.6 R18.2 TP6.1 | length 5.2
  Top Layer w0.254: K1.6 95.946,13.274 TP6.1 97.441,11.779 R18.2
NetK1_7: K1.7 R22.1 | length 11.9
  Top Layer w0.254: R22.1 97.028,23.971 97.028,17.78 98.146,16.662 K1.7
NetLCD1_3: LCD1.3 R33.1 | length 16.1
  Top Layer w0.254: R33.1 10.922,18.383 10.922,30.226 11.304,30.608 LCD1.3
NetQ2_2: Q2.2 R29.2 TP9.1 | length 7
  Top Layer w0.254: R29.2 17.809,10.48 Q2.2 20.828,8.325 TP9.1
NetR1_1: R1.1 R3.2 U1.1 | length 17.6
  Top Layer w0.254: U1.1 80.931,49.821 80.931,49.943 82.55,51.562 92.297,51.562 R3.2@94.217,49.642
NetR1_2: R1.2 R2.1 U1.2 | length 6.5
  Top Layer w0.254: R1.2 79.248,49.625 R2.1 80.296,46.609 U1.2@83.127,46.609
NetR6_2: R6.2 R7.1 U1.7 | length 7.2
  Top Layer w0.254: U1.7@88.577,46.609 91.154,46.609 R7.1 94.647,46.895 R6.2@95.356,47.604
NetR7_2: R7.2 R8.1 U1.6 | length 8.4
  Top Layer w0.254: R8.1 87.789,41.402 R7.2 91.154,45.339 U1.6@88.577,45.339
NetR12_1: R12.1 U3.2 | length 3
  Top Layer w0.254: 80.957,7.239 82.01,7.239 R12.1@83.407,5.842
NetR14_2: R14.2 U3.6 | length 9.4
  Top Layer w0.254: R14.2@67.145,5.931 69.723,8.509 U3.6 75.507,8.509
NetR15_1: R15.1 U3.1 | length 2.5
  Top Layer w0.254: R15.1 78.29,4.064 U3.1@79.941,5.715
NetR15_2: R15.2 U3.8 | length 2.5
  Top Layer w0.254: U3.8@74.491,5.715 74.644,5.715 R15.2
NetR17_1: R17.1 U3.3 | length 2.7
  Top Layer w0.254: 80.957,8.509 82.772,8.509 R17.1@83.407,7.874
NetR19_2: R19.2 U4.7 | length 3.5
  Top Layer w0.254: U4.7 82.931,10.636 R19.2
NetR23_1: R23.1 U4.3 VD1.3 | length 10
  Top Layer w0.254: U4.3 81.661,19.939 82.55,20.828 82.55,23.114 84.573,25.137 85.344,25.908 R23.1
NetR24_2: R24.2 U4.1 U4.2 | length 21.5
  Top Layer w0.254: R24.2@67.564,10.922 R24.2 68.58,10.922 70.104,12.446 70.104,13.716 74.168,17.78 82.55,17.78 82.931,18.161 U4.2 U4.1
NetTP3_1: TP3.1 U2.30 | length 2.6
  Top Layer w0.254: U2.30@55.88,14.668 TP3.1
NetTP4_1: TP4.1 U2.22 | length 2.8
  Top Layer w0.254: U2.22 62.004,12.164 TP4.1
NetTP16_1: TP16.1 TP17.1
PA: Q3.1 R30.1 U2.11 | length 52.5
  Top Layer w0.254: Q3.1 14.675,7.112 16.859,7.112 R30.1 18.383,5.588 22.728,5.588 26.538,1.778 38.862,1.778 45.466,1.778 57.912,1.778 58.674,2.54 58.674,4.318 57.876,5.116 U2.11
RS: LCD1.6 U2.40 | length 49.3
  Top Layer w0.254: LCD1.6 15.76,33.008 21.336,27.432 22.606,27.432 25.908,24.13 v1(25.908,19.812) ; v1(29.972,15.748) 34.056,11.664 U2.40
  Bottom Layer w0.254: v1(25.908,19.812) v1(29.972,15.748)
RST: LCD1.5 U2.38 | length 48.7
  Top Layer w0.254: LCD1.5 15.544,32.208 17.526,30.226 17.526,27.686 19.05,26.162 19.05,25.146 20.574,23.622 21.59,23.622 v1(23.114,22.098) ; v1(30.988,18.288) 30.988,17.272 35.596,12.664 U2.38
  Bottom Layer w0.254: v1(23.114,22.098) 27.178,22.098 v1(30.988,18.288)
SCK: LCD1.8 U2.39 | length 56.8
  Top Layer w0.254: LCD1.8 19.622,34.608 20.574,35.56 26.162,35.56 29.972,31.75 29.972,16.764 34.544,12.192 U2.39@51.376,12.192
SWCLK: P1.2 U2.37 | length 11.5
  Top Layer w0.254: P1.2 45.002,13.164 U2.37
SWDIO: P1.4 U2.34 | length 21.1
  Top Layer w0.254: P1.4 36.322,17.018 36.939,17.634 37.846,18.542 51.816,18.542 53.876,16.482 U2.34
VCC: C20.1 C21.1 C22.1 L1.1 U2.9 U4.8 VD1.2 | length 53.5
  Top Layer w0.254: C22.1 56.876,4.243 U2.9 56.876,8.616 v1(58.166,9.906) ; v1(61.976,9.906) 62.484,10.414 63.175,10.414 64.643,11.882 C20.1 ; C20.1@64.516,13.716 L1.1@66.675,15.875 ; L1.1 70.866,16.256 73.406,18.796 77.47,18.796 81.28,22.606 v1(81.272,22.614) ; VD1.2@84.12,23.086 84.12,23.068 v1(85.09,22.098) 85.344,21.844 85.344,15.24 86.265,14.319 C21.1 86.08,13.785 U4.8
  Bottom Layer w0.254: v1(58.166,9.906) v1(61.976,9.906) ; v1(81.272,22.614) 81.28,22.606 84.582,22.606 v1(85.09,22.098)
X100: Q1.1 U2.12 | length 45.7
  Top Layer w0.254: U2.12 58.376,5.632 61.214,2.794 67.818,2.794 68.326,3.302 v1(68.326,3.556) ; v1(70.104,1.778) 70.358,1.524 96.201,1.524 Q1.1
  Bottom Layer w0.254: v1(68.326,3.556) v1(70.104,1.778)
pads on no net: H1.1 H2.1 H3.1 H4.1 LCD1.13 LCD1.14 LCD1.15 LCD1.16 U2.2 U2.3 U2.4 U2.10 U2.17 U2.18 U2.20 U2.21 U2.25 U2.26 U2.27 U2.28 U2.29 U2.31 U2.32 U2.33 U2.42 U5.4

## Polygon pours and split planes (outlines as drawn)
GND on Bottom Layer "LED-" (solid, remove dead copper, pour order 0): -2.54,58.42 121.92,58.42 121.92,-2.54 -2.54,-2.54

## Silkscreen, mask and mechanical layers (free items; w line width, h text height)
Top Overlay:
  lines w0.254: 104.394,11.43 104.394,43.434 117.094,43.434 117.094,11.43 104.394,11.43
  text "HCUR" at 94.925,32.792 h2
  text "LCUR" at 92.176,12.472 h2
  text "LPOT" at 87.354,10.947 h2
  text "HPOT" at 90.865,8.915 h2
  text "GUARD" at 105.16,7.391 h2
Mechanical 1:
  circle w0.152: c110.744,14.986 r1.524
  circle w0.152: c110.744,39.878 r1.524
  lines w0.152: -0.1,0 119.6,0 119.6,55.6 -0.1,55.6 -0.1,0 ; 36.792,21.293 36.792,50.323 72.832,50.323 72.832,21.293 36.792,21.293
  lines w0.254: 2.738,23.368 cw(c4.038,23.368) 4.038,24.668 4.598,24.668 cw(c4.598,23.368) 5.898,23.368 ; 2.738,23.622 2.738,17.78 ccw(c4.038,17.78) 4.038,16.48 4.598,16.48 ccw(c4.598,17.78) 5.898,17.78 5.898,23.622 ; 105.664,18.288 115.57,19.304 115.57,35.814 105.664,36.83 105.664,18.288